# KiCad board Marble.kicad_pcb (continued)
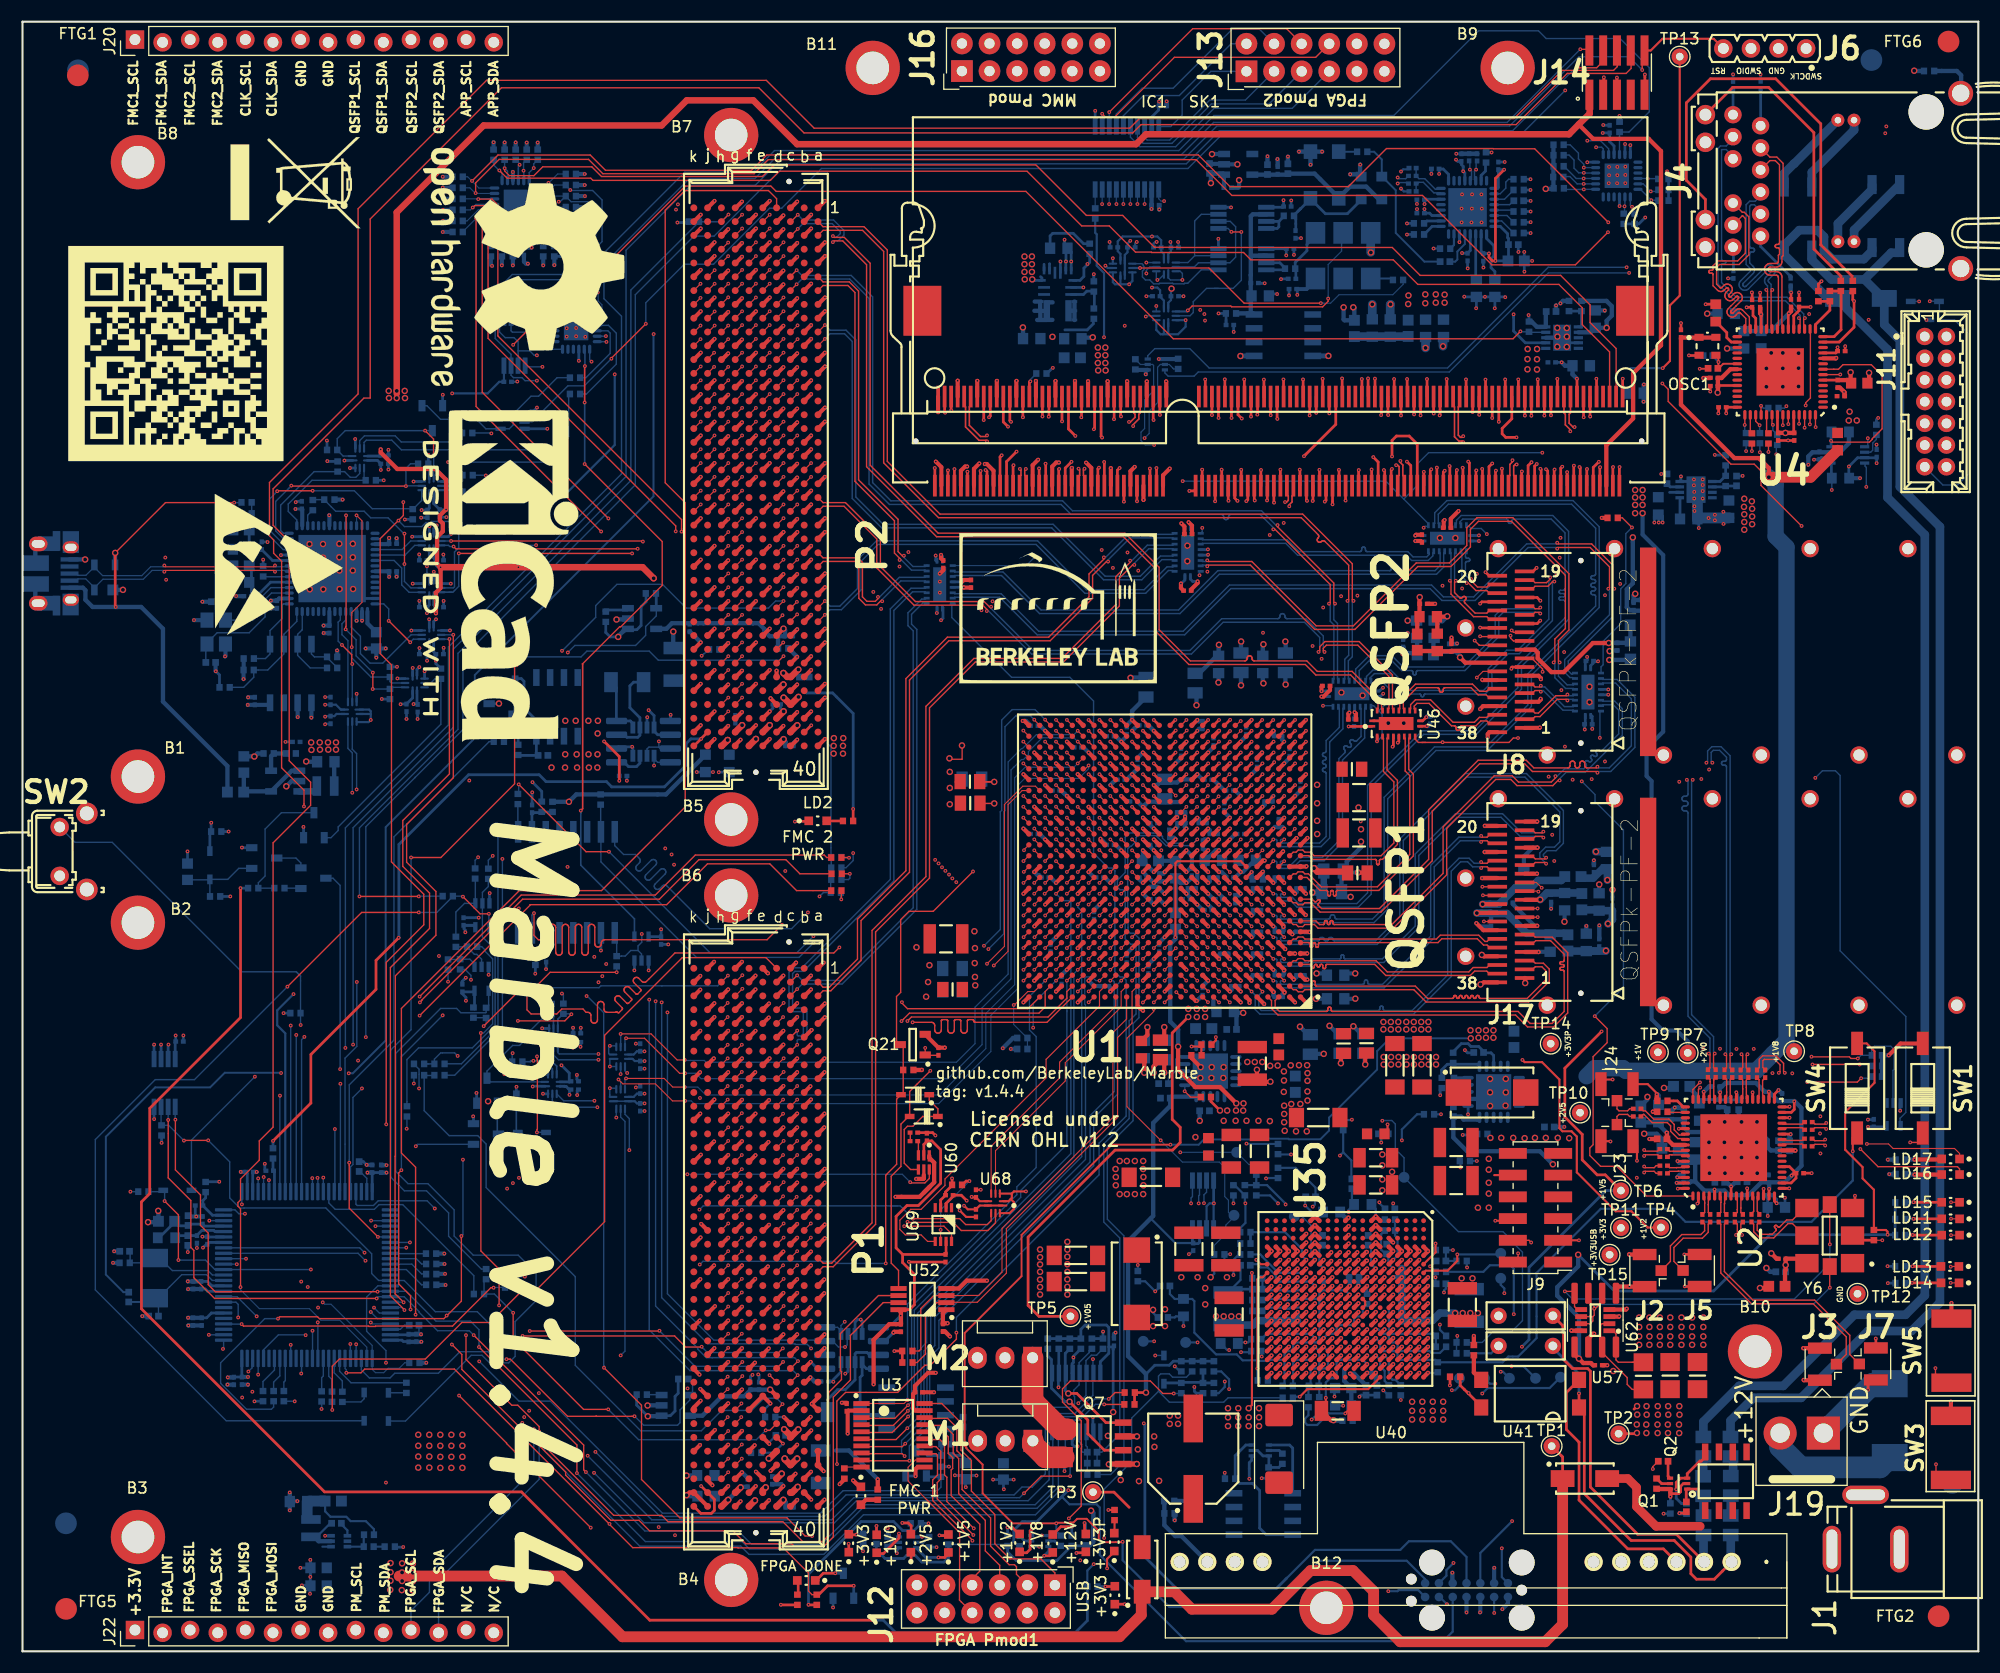
[diagram p0: board, top side]
## Nets (continued)
/QSFP1/QSFP_RX_1_N: J17.18 U1.E3
/QSFP1/QSFP_RX_1_P: J17.17 U1.E4
/QSFP1/QSFP_RX_2_N: J17.21 U1.C3
/QSFP1/QSFP_RX_2_P: J17.22 U1.C4
/QSFP1/QSFP_RX_3_N: J17.15 U1.G3
/QSFP1/QSFP_RX_3_P: J17.14 U1.G4
/QSFP1/QSFP_RX_4_N: J17.24 U1.B5
/QSFP1/QSFP_RX_4_P: J17.25 U1.B6
/QSFP1/QSFP_TX_1_N: J17.37 U1.D1
/QSFP1/QSFP_TX_1_P: J17.36 U1.D2
/QSFP1/QSFP_TX_2_N: J17.2 U1.B1
/QSFP1/QSFP_TX_2_P: J17.3 U1.B2
/QSFP1/QSFP_TX_3_N: J17.34 U1.F1
/QSFP1/QSFP_TX_3_P: J17.33 U1.F2
/QSFP1/QSFP_TX_4_N: J17.5 U1.A3
/QSFP1/QSFP_TX_4_P: J17.6 U1.A4
/QSFP1/QSFP_Vcc: C406.1 C409.1 J17.30 L44.2
/QSFP1/QSFP_VccRx: C404.1 C407.1 J17.10 L30.2
/QSFP1/QSFP_VccTx: C405.1 C408.1 J17.29 L43.2
/QSFP2/QSFP_RX_1_N: J8.18 U48.18
/QSFP2/QSFP_RX_1_P: J8.17 U48.19
/QSFP2/QSFP_RX_2_N: J8.21 U50.12
/QSFP2/QSFP_RX_2_P: J8.22 U50.13
/QSFP2/QSFP_RX_3_N: J8.15 U48.16
/QSFP2/QSFP_RX_3_P: J8.14 U48.17
/QSFP2/QSFP_RX_4_N: J8.24 U50.14
/QSFP2/QSFP_RX_4_P: J8.25 U50.15
/QSFP2/QSFP_TX_1_N: J8.37 U46.12
/QSFP2/QSFP_TX_1_P: J8.36 U46.13
/QSFP2/QSFP_TX_2_N: J8.2 U49.14
/QSFP2/QSFP_TX_2_P: J8.3 U49.15
/QSFP2/QSFP_TX_3_N: J8.34 U46.14
/QSFP2/QSFP_TX_3_P: J8.33 U46.15
/QSFP2/QSFP_TX_4_N: J8.5 U49.12
/QSFP2/QSFP_TX_4_P: J8.6 U49.13
/QSFP2/QSFP_Vcc: C301.1 C304.1 J8.30 L5.2
/QSFP2/QSFP_VccRx: C299.1 C302.1 J8.10 L1.2
/QSFP2/QSFP_VccTx: C300.1 C303.1 J8.29 L2.2
/SDRAM/DDR3_CAS_N: SK1.115 U1.AF8
/SDRAM/DDR3_CK_N: SK1.103 U1.AF12
/SDRAM/DDR3_CK_P: SK1.101 U1.AE12
/SDRAM/DDR3_CKE: SK1.73 U1.AA13
/SDRAM/DDR3_CS_N: SK1.114 U1.AC7
/SDRAM/DDR3_DQS0_N: SK1.10 U1.AF18
/SDRAM/DDR3_DQS0_P: SK1.12 U1.AE18
/SDRAM/DDR3_DQS1_N: SK1.27 U1.W19
/SDRAM/DDR3_DQS1_P: SK1.29 U1.W18
/SDRAM/DDR3_DQS2_N: SK1.45 U1.AE20
/SDRAM/DDR3_DQS2_P: SK1.47 U1.AD20
/SDRAM/DDR3_DQS3_N: SK1.62 U1.Y16
/SDRAM/DDR3_DQS3_P: SK1.64 U1.Y15
/SDRAM/DDR3_DQS4_N: SK1.135 U1.AB5
/SDRAM/DDR3_DQS4_P: SK1.137 U1.AA5
/SDRAM/DDR3_DQS5_N: SK1.152 U1.AF4
/SDRAM/DDR3_DQS5_P: SK1.154 U1.AF5
/SDRAM/DDR3_DQS6_N: SK1.169 U1.AC1
/SDRAM/DDR3_DQS6_P: SK1.171 U1.AB1
/SDRAM/DDR3_DQS7_N: SK1.186 U1.W5
/SDRAM/DDR3_DQS7_P: SK1.188 U1.W6
/SDRAM/DDR3_ODT: SK1.116 U1.AB9
/SDRAM/DDR3_RAS_N: SK1.110 U1.AB7
/SDRAM/DDR3_RST_N: R20.2 SK1.30 U1.Y12
/SDRAM/DDR3_WE_N: SK1.113 U1.AF9
/SDRAM/VREF_DDR3: C14.1 C15.1 C16.1 C17.1 C18.1 C19.1 C25.1 SK1.1 SK1.126 U1.AD3 U1.AE11 U1.AE16 U1.W4 U1.W8 U1.Y18 U31.6
/THERM: R130.2 U27.6 U39.7
/USB/CTS_IN: U23.48 U66.9
/USB/RTS_OUT: U23.47 U66.8
/USB/RxD_IN: U23.46 U25.9
/USB/TxD_OUT: U23.42 U25.8
/USB/USB_D_N: D13.2 J10.2 U23.7
/USB/USB_D_P: D13.3 J10.3 U23.8
/USB_TCK: R230.1 U26.5
/USB_TDI_DO: R231.1 U26.4
/USB_TDO_DI: R233.1 U33.4
/USB_TMS: R232.1 U33.5
/WhiteRabbit/CLK20_VCXO: R103.2 U67.9
/WhiteRabbit/FPGA_REF_CLK0_N: C96.2 R59.2 U20.5
/WhiteRabbit/FPGA_REF_CLK0_P: C84.2 R60.2 U20.6
/WhiteRabbit/SI570_CLK_N: C85.2 Y6.5
/WhiteRabbit/SI570_CLK_P: C97.2 Y6.4
/WhiteRabbit/VCXO_EN: U42.8 Y3.2
/WhiteRabbit/WR_DAC1_SYNC: U19.5 U42.9
/WhiteRabbit/WR_DAC2_SYNC: U16.5 U67.8
/WhiteRabbit/WR_DAC_DIN: U16.7 U19.7 U53.8
/WhiteRabbit/WR_DAC_OUT1: C109.1 R93.1 Y1.1 Y2.1
/WhiteRabbit/WR_DAC_OUT2: C108.1 R92.1 Y3.1
/WhiteRabbit/WR_DAC_SCLK: U16.6 U19.6 U53.9
DDR_REF_CLK_N: C410.2 R22.2 U20.31
DDR_REF_CLK_P: C379.2 R23.2 U20.32
FMC1_DP0_C2M_N: P1.C3 U44.12
FMC1_DP0_C2M_P: P1.C2 U44.13
FMC1_DP0_M2C_N: P1.C7 U44.14
FMC1_DP0_M2C_P: P1.C6 U44.15
FMC1_DP1_C2M_N: P1.A23 U45.16
FMC1_DP1_C2M_P: P1.A22 U45.17
FMC1_DP1_M2C_N: P1.A3 U45.18
FMC1_DP1_M2C_P: P1.A2 U45.19
FMC1_LA_0_N: P1.G7 U1.H18
FMC1_LA_0_P: P1.G6 U1.H17
FMC1_LA_1_N: P1.D9 U1.F18
FMC1_LA_1_P: P1.D8 U1.G17
FMC1_LA_2_N: P1.H8 U1.J20
FMC1_LA_2_P: P1.H7 U1.K20
FMC1_LA_3_N: P1.G10 U1.L18
FMC1_LA_3_P: P1.G9 U1.M17
FMC1_LA_4_N: P1.H11 U1.G20
FMC1_LA_4_P: P1.H10 U1.H19
FMC1_LA_5_N: P1.D12 U1.E20
FMC1_LA_5_P: P1.D11 U1.F19
FMC1_LA_6_N: P1.C11 U1.L20
FMC1_LA_6_P: P1.C10 U1.L19
FMC1_LA_7_N: P1.H14 U1.D20
FMC1_LA_7_P: P1.H13 U1.D19
FMC1_LA_8_N: P1.G13 U1.F20
FMC1_LA_8_P: P1.G12 U1.G19
FMC1_LA_9_N: P1.D15 U1.J19
FMC1_LA_9_P: P1.D14 U1.J18
FMC1_LA_10_N: P1.C15 U1.G16
FMC1_LA_10_P: P1.C14 U1.H16
FMC1_LA_11_N: P1.H17 U1.K18
FMC1_LA_11_P: P1.H16 U1.L17
FMC1_LA_12_N: P1.G16 U1.F15
FMC1_LA_12_P: P1.G15 U1.G15
FMC1_LA_13_N: P1.D18 U1.D16
FMC1_LA_13_P: P1.D17 U1.D15
FMC1_LA_14_N: P1.C19 U1.E16
FMC1_LA_14_P: P1.C18 U1.E15
FMC1_LA_15_N: P1.H20 U1.J16
FMC1_LA_15_P: P1.H19 U1.J15
FMC1_LA_16_N: P1.G19 U1.K17
FMC1_LA_16_P: P1.G18 U1.K16
FMC1_LA_17_N: P1.D21 U1.D10
FMC1_LA_17_P: P1.D20 U1.E10
FMC1_LA_18_N: P1.C23 U1.C11
FMC1_LA_18_P: P1.C22 U1.C12
FMC1_LA_19_N: P1.H23 U1.G14
FMC1_LA_19_P: P1.H22 U1.H14
FMC1_LA_20_N: P1.G22 U1.A15
FMC1_LA_20_P: P1.G21 U1.B15
FMC1_LA_21_N: P1.H26 U1.D13
FMC1_LA_21_P: P1.H25 U1.D14
FMC1_LA_22_N: P1.G25 U1.A14
FMC1_LA_22_P: P1.G24 U1.B14
FMC1_LA_23_N: P1.D24 U1.F12
FMC1_LA_23_P: P1.D23 U1.G12
FMC1_LA_24_N: P1.H29 U1.A8
FMC1_LA_24_P: P1.H28 U1.A9
FMC1_LA_25_N: P1.G28 U1.G9
FMC1_LA_25_P: P1.G27 U1.G10
FMC1_LA_26_N: P1.D27 U1.E12
FMC1_LA_26_P: P1.D26 U1.E13
FMC1_LA_27_N: P1.C27 U1.F13
FMC1_LA_27_P: P1.C26 U1.F14
FMC1_LA_28_N: P1.H32 U1.H13
FMC1_LA_28_P: P1.H31 U1.J13
FMC1_LA_29_N: P1.G31 U1.F8
FMC1_LA_29_P: P1.G30 U1.F9
FMC1_LA_30_N: P1.H35 U1.B11
FMC1_LA_30_P: P1.H34 U1.B12
FMC1_LA_31_N: P1.G34 U1.A12
FMC1_LA_31_P: P1.G33 U1.A13
FMC1_LA_32_N: P1.H38 U1.C13
FMC1_LA_32_P: P1.H37 U1.C14
FMC1_LA_33_N: P1.G37 U1.A10
FMC1_LA_33_P: P1.G36 U1.B10
FMC2_DP0_C2M_N: P2.C3 U46.18
FMC2_DP0_C2M_P: P2.C2 U46.19
FMC2_DP0_M2C_N: P2.C7 U48.12
FMC2_DP0_M2C_P: P2.C6 U48.13
FMC2_DP1_C2M_N: P2.A23 U46.16
FMC2_DP1_C2M_P: P2.A22 U46.17
FMC2_DP1_M2C_N: P2.A3 U48.14
FMC2_DP1_M2C_P: P2.A2 U48.15
FMC2_DP2_C2M_N: P2.A27 U44.16
FMC2_DP2_C2M_P: P2.A26 U44.17
FMC2_DP2_M2C_N: P2.A7 U44.18
FMC2_DP2_M2C_P: P2.A6 U44.19
FMC2_DP3_C2M_N: P2.A31 U45.12
FMC2_DP3_C2M_P: P2.A30 U45.13
FMC2_DP3_M2C_N: P2.A11 U45.14
FMC2_DP3_M2C_P: P2.A10 U45.15
FMC2_HA00_CC_N: P2.F5 U1.N22
FMC2_HA00_CC_P: P2.F4 U1.N21
FMC2_HA01_CC_N: P2.E3 U1.P21
FMC2_HA01_CC_P: P2.E2 U1.R21
FMC2_HA02_N: P2.K8 U1.U20
FMC2_HA02_P: P2.K7 U1.U19
FMC2_HA03_N: P2.J7 U1.T19
FMC2_HA03_P: P2.J6 U1.T18
FMC2_HA04_N: P2.F8 U1.R17
FMC2_HA04_P: P2.F7 U1.R16
FMC2_HA05_N: P2.E7 U1.N17
FMC2_HA05_P: P2.E6 U1.P16
FMC2_HA06_N: P2.K11 U1.P18
FMC2_HA06_P: P2.K10 U1.R18
FMC2_HA07_N: P2.J10 U1.T25
FMC2_HA07_P: P2.J9 U1.T24
FMC2_HA08_N: P2.F11 U1.T23
FMC2_HA08_P: P2.F10 U1.T22
FMC2_HA09_N: P2.E10 U1.T17
FMC2_HA09_P: P2.E9 U1.U17
FMC2_HA10_N: P2.K14 U1.K26
FMC2_HA10_P: P2.K13 U1.K25
FMC2_HA11_N: P2.J13 U1.M19
FMC2_HA11_P: P2.J12 U1.N18
FMC2_HA12_N: P2.F14 U1.L24
FMC2_HA12_P: P2.F13 U1.M24
FMC2_HA13_N: P2.E13 U1.R20
FMC2_HA13_P: P2.E12 U1.T20
FMC2_HA14_N: P2.J16 U1.P20
FMC2_HA14_P: P2.J15 U1.P19
FMC2_HA15_N: P2.F17 U1.P25
FMC2_HA15_P: P2.F16 U1.R25
FMC2_HA16_N: P2.E16 U1.P26
FMC2_HA16_P: P2.E15 U1.R26
FMC2_HA17_CC_N: P2.K17 U1.R23
FMC2_HA17_CC_P: P2.K16 U1.R22
FMC2_HA18_N: P2.J19 U1.M22
FMC2_HA18_P: P2.J18 U1.M21
FMC2_HA19_N: P2.F20 U1.M20
FMC2_HA19_P: P2.F19 U1.N19
FMC2_HA20_N: P2.E19 U1.N23
FMC2_HA20_P: P2.E18 U1.P23
FMC2_HA21_N: P2.K20 U1.N24
FMC2_HA21_P: P2.K19 U1.P24
FMC2_HA22_N: P2.J22 U1.M26
FMC2_HA22_P: P2.J21 U1.N26
FMC2_HA23_N: P2.K23 U1.L25
FMC2_HA23_P: P2.K22 U1.M25
FMC2_LA_0_N: P2.G7 U1.AA22
FMC2_LA_0_P: P2.G6 U1.Y22
FMC2_LA_1_N: P2.D9 U1.AB24
FMC2_LA_1_P: P2.D8 U1.AA23
FMC2_LA_2_N: P2.H8 U1.AF22
FMC2_LA_2_P: P2.H7 U1.AE22
FMC2_LA_3_N: P2.G10 U1.AE26
FMC2_LA_3_P: P2.G9 U1.AD26
FMC2_LA_4_N: P2.H11 U1.W21
FMC2_LA_4_P: P2.H10 U1.V21
FMC2_LA_5_N: P2.D12 U1.AC26
FMC2_LA_5_P: P2.D11 U1.AB26
FMC2_LA_6_N: P2.C11 U1.AD24
FMC2_LA_6_P: P2.C10 U1.AD23
FMC2_LA_7_N: P2.H14 U1.AC22
FMC2_LA_7_P: P2.H13 U1.AB22
FMC2_LA_8_N: P2.G13 U1.AC24
FMC2_LA_8_P: P2.G12 U1.AC23
FMC2_LA_9_N: P2.D15 U1.V26
FMC2_LA_9_P: P2.D14 U1.U26
FMC2_LA_10_N: P2.C15 U1.AF23
FMC2_LA_10_P: P2.C14 U1.AE23
FMC2_LA_11_N: P2.H17 U1.W24
FMC2_LA_11_P: P2.H16 U1.W23
FMC2_LA_12_N: P2.G16 U1.AB25
FMC2_LA_12_P: P2.G15 U1.AA25
FMC2_LA_13_N: P2.D18 U1.V24
FMC2_LA_13_P: P2.D17 U1.V23
FMC2_LA_14_N: P2.C19 U1.U25
FMC2_LA_14_P: P2.C18 U1.U24
FMC2_LA_15_N: P2.H20 U1.V22
FMC2_LA_15_P: P2.H19 U1.U22
FMC2_LA_16_N: P2.G19 U1.W26
FMC2_LA_16_P: P2.G18 U1.W25
FMC2_LA_17_N: P2.D21 U1.F23
FMC2_LA_17_P: P2.D20 U1.G22
FMC2_LA_18_N: P2.C23 U1.F24
FMC2_LA_18_P: P2.C22 U1.G24
FMC2_LA_19_N: P2.H23 U1.J23
FMC2_LA_19_P: P2.H22 U1.K23
FMC2_LA_20_N: P2.G22 U1.K22
FMC2_LA_20_P: P2.G21 U1.L22
FMC2_LA_21_N: P2.H26 U1.H22
FMC2_LA_21_P: P2.H25 U1.J21
FMC2_LA_22_N: P2.G25 U1.D25
FMC2_LA_22_P: P2.G24 U1.E25
FMC2_LA_23_N: P2.D24 U1.H24
FMC2_LA_23_P: P2.D23 U1.H23
FMC2_LA_24_N: P2.H29 U1.J25
FMC2_LA_24_P: P2.H28 U1.J24
FMC2_LA_25_N: P2.G28 U1.D24
FMC2_LA_25_P: P2.G27 U1.D23
FMC2_LA_26_N: P2.D27 U1.E26
FMC2_LA_26_P: P2.D26 U1.F25
FMC2_LA_27_N: P2.C27 U1.G21
FMC2_LA_27_P: P2.C26 U1.H21
FMC2_LA_28_N: P2.H32 U1.G26
FMC2_LA_28_P: P2.H31 U1.G25
FMC2_LA_29_N: P2.G31 U1.H26
FMC2_LA_29_P: P2.G30 U1.J26
FMC2_LA_30_N: P2.H35 U1.C26
FMC2_LA_30_P: P2.H34 U1.D26
FMC2_LA_31_N: P2.G34 U1.E22
FMC2_LA_31_P: P2.G33 U1.E21
FMC2_LA_32_N: P2.H38 U1.A20
FMC2_LA_32_P: P2.H37 U1.B20
FMC2_LA_33_N: P2.G37 U1.B21
FMC2_LA_33_P: P2.G36 U1.C21
INTVCC0: C140.2 R150.1 R206.2 U35.E7
INTVCC3: C144.2 R171.1 R194.2 U35.R11
INTVCC12: C148.2 R191.1 U35.K9
MGTAVCC: C1.1 C4.1 C217.1 C219.1 C221.1 C381.1 J21.11 L34.2 TP5.1 U1.C6 U1.E6 U1.G6 U1.J6 U1.L6
MGTAVTT: C146.1 C225.1 C228.1 C230.1 C232.1 C234.1 C236.1 C238.1 C380.1 J21.8 L16.2 R161.2 R253.1 U1.B3 U1.C2 U1.D3 U1.G2 U1.H3 U1.L2 U1.M3 U1.M5
VTT_DDR3: C26.1 C27.1 SK1.203 SK1.204 TP13.1 U31.3 U31.5
Net-(C28-Pad1): C28.1 C29.1 L19.2 Y6.6
Net-(C38-Pad1): C38.1 R224.2 R225.2 U30.2
Net-(C39-Pad1): C39.1 R227.2 U30.14
Net-(C42-Pad2): C42.2 C45.1 C46.1 C48.1 C50.1 C52.1 L3.2 U4.3 U4.19 U4.26 U4.35 U4.38
Net-(C47-Pad2): C47.2 C49.1 C51.1 L4.2 U4.20 U4.25
Net-(C58-Pad1): C58.1 J4.7
Net-(C59-Pad1): C59.1 J4.1
Net-(C60-Pad1): C60.1 J4.6
Net-(C70-Pad1): C70.1 R68.1 U47.6
Net-(C72-Pad2): C72.2 U47.1
Net-(C74-Pad1): C74.1 U47.3
Net-(C93-Pad1): C93.1 R132.1 U54.13 Y5.2
Net-(C102-Pad1): C92.1 C102.1 U54.12 Y5.1
Net-(C106-Pad1): C90.1 C106.1 R58.1 U14.8 U16.2 U19.2
Net-(C107-Pad1): C81.1 C91.1 C107.1 U13.5 Y1.6 Y2.4
Net-(C111-Pad1): C111.1 C113.1 L11.2 L12.1
Net-(C114-Pad1): C114.1 R82.2 Y1.4
Net-(C114-Pad2): C114.2 U20.21
Net-(C120-Pad1): C120.1 U20.19
Net-(C121-Pad1): C121.1 U20.17
Net-(C123-Pad1): C123.1 C126.1 C210.1 L26.1 U20.9 U20.16 U20.18
Net-(C128-Pad1): C128.1 D4.2 D10.1 J1.1 J19.2 Q1.1 Q2.5 Q2.6 Q2.7 Q2.8
Net-(C129-Pad1): C76.1 C129.1 D4.1 D12.1 TP1.1 U18.1
Net-(C130-Pad1): C130.1 U18.4
Net-(C130-Pad2): C130.2 L13.1 U18.2
Net-(C132-Pad1): C132.1 L13.2 L17.1 R7.1
Net-(C134-Pad2): C134.2 Q16.4 R213.2
Net-(C135-Pad2): C135.2 Q23.4 R214.2
Net-(C138-Pad1): C138.1 C427.1 R109.1 U35.K18
Net-(C143-Pad1): C143.1 L16.1 R168.1 TP4.1 U36.1 U36.18 U36.19 U36.20
Net-(C150-Pad1): C150.1 R133.1 U35.N16
Net-(C150-Pad2): C150.2 R139.1 U35.P16
Net-(C151-Pad2): C151.2 R110.2 U35.E9
Net-(C152-Pad2): C152.2 R111.2 U35.R9
Net-(C153-Pad2): C153.2 C154.2 C155.2 C156.2 R134.2 R139.2 U35.A13 U35.B13 U35.C13 U35.D7 U35.D8 U35.D9 U35.D10 U35.D11 U35.D12 U35.D13 U35.E8 U35.H6 U35.J5 U35.J6 U35.L5 U35.L6 U35.M6 U35.R10 U35.T7 U35.T8 U35.T9 U35.T10 U35.T11 U35.T12 U35.T13 U35.U13 U35.V13 U35.W13
Net-(C157-Pad2): C157.2 U35.F9
Net-(C158-Pad2): C158.2 U35.G7
Net-(C159-Pad2): C159.2 U35.N7
Net-(C160-Pad2): C160.2 U35.P9
Net-(C162-Pad1): C162.1 L10.2 U22.1 U22.4
Net-(C165-Pad1): C165.1 U23.4 Y4.1
Net-(C167-Pad1): C167.1 C174.1 L24.2 U23.5
Net-(C168-Pad1): C168.1 C175.1 L25.2 U23.9
Net-(C171-Pad1): C171.1 U23.3 Y4.3
Net-(C188-Pad2): C188.2 C189.2 R129.2 U27.11 U27.12
Net-(C307-Pad2): C307.2 U54.73
Net-(C308-Pad1): C308.1 C310.1 R3.2 U54.21
Net-(C309-Pad2): C309.2 U54.49
Net-(C322-Pad2): C322.2 C323.1 C325.1 C326.1 C329.1 C357.1 L6.2 U2.5 U2.15 U2.18 U2.21 U2.31 U2.34 U2.43 U2.59 U2.63
Net-(C350-Pad1): C350.1 D12.2 Q4.5 Q4.6 Q4.7 Q4.8 Q22.1 R197.1 TP3.1 U40.8
Net-(C352-Pad1): C352.1 J4.12
Net-(C353-Pad1): C353.1 L39.2 U40.1 U41.1
Net-(C354-Pad1): C354.1 L40.2 U40.2
Net-(C360-Pad1): C360.1 D16.2 Q18.1 R270.2
Net-(C361-Pad2): C361.2 R243.1 U35.G8
Net-(C362-Pad2): C362.2 R244.1 U35.J10
Net-(C363-Pad2): C363.2 R306.1 U35.L10
Net-(C374-Pad1): C374.1 C375.1 OSC1.3 U4.34
Net-(C383-Pad1): C383.1 L34.1 R195.1 U37.1 U37.18 U37.19 U37.20
Net-(C393-Pad1): C393.1 U36.15
Net-(C394-Pad1): C394.1 U37.15
Net-(C417-Pad2): C417.2 U20.12
Net-(C419-Pad1): C419.1 U60.3
Net-(C419-Pad2): C419.2 C420.1
Net-(C426-Pad2): C426.2 R307.1 U35.N11
Net-(D1-Pad1): D1.1 D9.1 U60.4
Net-(D6-Pad1): D6.1 D7.1 D8.1 L35.1
Net-(D6-Pad2): D6.2 D7.2 D8.2 L36.1
Net-(D13-Pad4): D13.4 J10.1 L10.1 R112.1
Net-(D14-Pad2): D14.2 Q5.3 Q17.1 R246.2
Net-(D17-Pad1): D17.1 R276.2 U7.4
Net-(D18-Pad1): D18.1 R63.2 U10.4
Net-(J4-Pad17): J4.17 R67.1
Net-(J4-Pad19): J4.19 R156.1
Net-(J4-Pad21): J4.21 J4.22 R165.2
Net-(L23-Pad1): L23.1 U22.3
Net-(L35-Pad2): L35.2 L37.1
Net-(L36-Pad2): L36.2 L38.1
Net-(L37-Pad2): L37.2 L39.1
Net-(L38-Pad2): L38.2 L40.1
Net-(LD1-Pad2): LD1.2 R235.2
Net-(LD2-Pad2): LD2.2 R236.2
Net-(LD3-Pad1): LD3.1 Q19.3
Net-(LD3-Pad2): LD3.2 R163.2
Net-(LD4-Pad2): LD4.2 R248.2
Net-(LD5-Pad1): LD5.1 Q3.6
Net-(LD5-Pad2): LD5.2 R249.2
Net-(LD6-Pad2): LD6.2 R251.2
Net-(LD7-Pad1): LD7.1 Q3.3
Net-(LD7-Pad2): LD7.2 R252.2
Net-(LD8-Pad1): LD8.1 Q20.6
Net-(LD8-Pad2): LD8.2 R254.2
Net-(LD9-Pad1): LD9.1 Q20.3
Net-(LD9-Pad2): LD9.2 R256.2
Net-(LD10-Pad2): LD10.2 R257.2
Net-(LD11-Pad2): LD11.2 R267.2
Net-(LD12-Pad2): LD12.2 R266.2
Net-(LD13-Pad1): LD13.1 U39.13
Net-(LD13-Pad2): LD13.2 R264.2
Net-(LD14-Pad1): LD14.1 U39.12
Net-(LD14-Pad2): LD14.2 R265.2
Net-(LD15-Pad2): LD15.2 R268.2
Net-(LD16-Pad1): LD16.1 Q15.3
Net-(LD16-Pad2): LD16.2 R18.2
Net-(LD17-Pad1): LD17.1 Q15.6
Net-(LD17-Pad2): LD17.2 R19.2
Net-(LD18-Pad2): LD18.2 R61.2
Net-(LD19-Pad2): LD19.2 R78.2
Net-(M1-Pad1): M1.1 Q7.7 Q7.8
Net-(M1-Pad3): M1.3 R175.2 U27.2
Net-(M2-Pad1): M2.1 Q7.5 Q7.6
Net-(M2-Pad3): M2.3 R177.2 U27.4
Net-(P1-PadC34): P1.C34 R9.2
Net-(P1-PadD35): P1.D35 R10.2
Net-(P2-PadC34): P2.C34 R11.2
Net-(P2-PadD35): P2.D35 R12.2
Net-(Q1-Pad2): Q1.2 Q1.6 R104.1 R107.1
Net-(Q1-Pad3): Q1.3 Q2.4 R108.1
Net-(Q1-Pad5): Q1.5 R107.2
Net-(Q3-Pad2): Q3.2 R247.2
Net-(Q3-Pad5): Q3.5 R250.2
Net-(Q6-Pad3): Q6.3 R204.2 U26.2 U33.2
Net-(Q7-Pad2): Q7.2 R174.2 U27.1
Net-(Q7-Pad4): Q7.4 R176.2 U27.3
Net-(Q8-Pad3): Q8.3 R202.2 R213.1
Net-(Q9-Pad3): Q9.3 R203.2 R214.1
Net-(Q14-Pad1): Q14.1 R269.2
Net-(Q14-Pad2): Q14.2 Q18.3
Net-(Q17-Pad3): Q17.3 R131.2 U8.2 U9.2
Net-(Q20-Pad2): Q20.2 R253.2
Net-(Q20-Pad5): Q20.5 R255.2
Net-(Q22-Pad2): Q22.2 Q22.6 R181.1 R184.1
Net-(Q22-Pad3): Q4.4 Q22.3 R212.1
Net-(Q22-Pad5): Q22.5 R184.2
Net-(Q24-Pad1): Q24.1 R273.2 U24.4
Net-(Q24-Pad3): Q24.3 R269.1 R271.1
Net-(R4-Pad2): R4.2 U3.10
Net-(R5-Pad2): R5.2 U12.10
Net-(R6-Pad2): R6.2 U69.6
Net-(R8-Pad2): R8.2 U35.P15
Net-(R21-Pad2): R21.2 U54.94
Net-(R26-Pad1): R26.1 R27.2 U58.3
Net-(R30-Pad1): R30.1 R31.1 U31.1
Net-(R33-Pad1): R33.1 U2.49
Net-(R34-Pad1): R34.1 U2.50
Net-(R43-Pad1): R43.1 U5.23
Net-(R44-Pad1): R44.1 U5.22
Net-(R64-Pad1): R64.1 U4.8 U6.4
Net-(R65-Pad2): R65.2 R80.2 U4.15
Net-(R66-Pad2): R66.2 U4.30
Net-(R68-Pad2): R68.2 R69.2 U47.5
Net-(R70-Pad1): R7.2 R70.1 U18.6
Net-(R70-Pad2): R70.2 R71.1
Net-(R72-Pad2): R72.2 U39.4
Net-(R73-Pad2): R73.2 U39.3
Net-(R74-Pad2): R74.2 U36.11
Net-(R76-Pad2): R76.2 U37.11
Net-(R79-Pad1): R79.1 U20.23
Net-(R82-Pad1): R82.1 Y2.3
Net-(R83-Pad1): R83.1 U5.17
Net-(R89-Pad2): R89.2 U35.N15
Net-(R90-Pad2): R90.2 U35.M16
Net-(R91-Pad1): R91.1 U5.16
Net-(R92-Pad2): R92.2 U16.3 U16.4
Net-(R93-Pad2): R93.2 U19.3 U19.4
Net-(R94-Pad2): R94.2 U20.7
Net-(R95-Pad2): R95.2 U35.P17
Net-(R96-Pad2): R96.2 U20.25
Net-(R97-Pad2): R97.2 U20.26
Net-(R98-Pad2): R98.2 U20.13
Net-(R99-Pad2): R99.2 U20.14
Net-(R100-Pad2): R100.2 U20.15
Net-(R101-Pad2): R101.2 U20.10
Net-(R102-Pad2): R102.2 U20.11
Net-(R103-Pad1): R103.1 Y3.4
Net-(R105-Pad2): R105.2 U35.A6
Net-(R106-Pad2): R106.2 U35.W7
Net-(R112-Pad2): R112.2 R116.1 U23.11
Net-(R113-Pad2): R113.2 R114.1 U21.4
Net-(R114-Pad2): R114.2 U21.3 U23.55
Net-(R115-Pad2): R88.1 R115.2 U21.2 U23.56
Net-(R117-Pad2): R117.2 U21.1 U23.1
Net-(R118-Pad2): R118.2 R119.1 U22.5
Net-(R120-Pad2): R120.2 U23.6
Net-(R121-Pad2): R121.2 U23.24 U24.8
Net-(R122-Pad2): R122.2 U23.12 U26.8
Net-(R123-Pad2): R123.2 U23.26 U24.9
Net-(R124-Pad2): R124.2 U23.13 U26.9
Net-(R125-Pad2): R125.2 U23.14 U33.9
Net-(R126-Pad2): R126.2 U23.15 U33.8
Net-(R127-Pad1): R127.1 R200.1 U15.9
Net-(R135-Pad2): R135.2 U54.93
Net-(R136-Pad2): R136.2 U54.92
Net-(R140-Pad1): R140.1 U35.G16
Net-(R141-Pad1): R141.1 U35.G13
Net-(R143-Pad1): R143.1 U35.G14
Net-(R143-Pad2): R143.2 R206.1 U35.E11
Net-(R145-Pad1): R145.1 U35.G17
Net-(R145-Pad2): R145.2 U35.H8
Net-(R148-Pad1): R148.1 U35.F17
Net-(R148-Pad2): R148.2 U35.M8
Net-(R150-Pad2): R150.2 R155.2 U35.E6
Net-(R151-Pad2): R151.2 U54.82
Net-(R152-Pad2): R152.2 U54.83
Net-(R153-Pad2): R153.2 U54.84
Net-(R154-Pad2): R154.2 U54.85
Net-(R161-Pad1): R161.1 U1.M6
Net-(R164-Pad2): R164.2 R169.2 U35.G11
Net-(R168-Pad2): R168.2 R189.1 U36.16
Net-(R170-Pad2): R170.2 U35.F10
Net-(R171-Pad2): R171.2 R180.2 U35.R6
Net-(R185-Pad2): R185.2 R186.2 U35.R8
Net-(R187-Pad2): R187.2 U35.P8
Net-(R190-Pad2): R190.2 R191.2 R192.2 U35.L9
Net-(R193-Pad2): R193.2 U35.K10
Net-(R194-Pad1): R194.1 U35.R7
Net-(R195-Pad2): R195.2 R196.1 U37.16
Net-(R197-Pad2): R197.2 R198.1 U40.9
Net-(R200-Pad2): R200.2 U23.17
Net-(R207-Pad1): R207.1 U35.J12
Net-(R208-Pad1): R208.1 U35.L12
Net-(R210-Pad2): R210.2 U30.1
Net-(R211-Pad1): R211.1 R217.1 U35.F8
Net-(R218-Pad1): R218.1 R219.1 U35.P10
Net-(R259-Pad2): R259.2 U55.3
Net-(R261-Pad2): R261.2 U43.3
Net-(R262-Pad2): R262.2 U6.6
Net-(R263-Pad2): R263.2 SW2.2 SW3.2 U54.23
Net-(R274-Pad2): R42.1 R274.2 U5.18
Net-(R281-Pad1): R281.1 U41.3
Net-(R283-Pad2): R283.2 R286.1 U1.T5
Net-(R284-Pad1): R284.1 R287.1 U1.T2
Net-(R285-Pad1): R285.1 R288.1 U1.P5
Net-(R291-Pad1): R291.1 U4.43
Net-(R292-Pad1): R292.1 U4.46
Net-(R293-Pad1): R293.1 U4.44
Net-(R294-Pad1): R294.1 U4.45
Net-(R295-Pad1): R295.1 U4.47
Net-(R296-Pad1): R296.1 U4.48
Net-(R309-Pad1): R309.1 U35.F18
Net-(SW5-Pad2): SW5.2 U60.6
Net-(TP16-Pad1): TP16.1 U35.A7
Net-(TP17-Pad1): TP17.1 U35.W6
Net-(TP18-Pad1): TP18.1 U35.H15
Net-(TP19-Pad1): TP19.1 U35.J17
Net-(TP23-Pad1): TP23.1 U35.P6
Net-(TP24-Pad1): TP24.1 U35.J11
Net-(TP25-Pad1): TP25.1 U35.E10
Net-(TP26-Pad1): TP26.1 U35.M11
Net-(TP27-Pad1): TP27.1 U35.K17
Net-(TP28-Pad1): TP28.1 U35.F16
Net-(U4-Pad7): U4.7 U6.5
Net-(U15-Pad8): U15.8 U23.34
Net-(U23-Pad32): U23.32 U38.9
Net-(U23-Pad33): U23.33 U38.8
Net-(U35-PadH10): U35.H10 U35.H11
Net-(U35-PadN8): U35.N8 U35.N9
Net-(U40-Pad3): U40.3 U41.2
Net-(U48-Pad9): U48.9 U56.4
Net-(U58-Pad4): U58.4 U58.5 U58.6 U58.A4

Pads without a net: FTG1 1; FTG2 1; FTG3 1; FTG4 1; FTG5 1; FTG6 1; FTG7 1; FTG8 1; J1 2; J9 1 5 7 8 9 11 12; J10 4; J11 12 14; J14 7; J22 13 14; P1 A6 A7 A10 A11 A14 A15 A18 A19 A26 A27 A30 A31 A34 A35 A38 A39 B1 B4 B5 B8 B9 B12 B13 B16 B17 B24 B25 B28 B29 B32 B33 B36 B37 B40 E2 E3 E6 E7 E9 E10 E12 E13 E15 E16 E18 E19 E21 E22 E24 E25 E27 E28 E30 E31 E33 E34 E36 E37 F1 F4 F5 F7 F8 F10 F11 F13 F14 F16 F17 F19 F20 F22 F23 F25 F26 F28 F29 F31 F32 F34 F35 F37 F38 H1 J2 J3 J6 J7 J9 J10 J12 J13 J15 J16 J18 J19 J21 J22 J24 J25 J27 J28 J30 J31 J33 J34 J36 J37 K1 K4 K5 K7 K8 K10 K11 K13 K14 K16 K17 K19 K20 K22 K23 K25 K26 K28 K29 K31 K32 K34 K35 K37 K38; P2 A14 A15 A18 A19 A34 A35 A38 A39 B1 B4 B5 B8 B9 B12 B13 B16 B17 B24 B25 B28 B29 B32 B33 B36 B37 B40 E21 E22 E24 E25 E27 E28 E30 E31 E33 E34 E36 E37 F1 F22 F23 F25 F26 F28 F29 F31 F32 F34 F35 F37 F38 H1 J2 J3 J24 J25 J27 J28 J30 J31 J33 J34 J36 J37 K1 K4 K5 K25 K26 K28 K29 K31 K32 K34 K35 K37 K38; SK1 74 77 102 104 120 121 122 125 198 205 206; SW2 3 4; U1 A19 A23 A24 AA2 AA7 AB20 AC16 AD5 AD25 AE25 B26 N16 T7 U4 U9 U16 U21 V13 W13 W20 Y20 Y21; U2 19 20 22 23 51 52; U4 1 2 4 5 9 12 29 31 32 33 36 37 39 40 41; U5 25; U13 4; U14 1 2 3 6 7; U18 5; U20 2 3 8 24 28 29; U21 7; U23 18 19 20 22 23 25 27 28 29 30 35 37 38 39 40 49 51 52 53 54; U24 5; U30 3 4 5 6 11 12 13; U34 1 2 3 10 11 12; U35 F11 H13 J8 K8 K15 K19 L8 P7; U36 2 3 4 9 13 14 17; U37 2 3 4 9 13 14 17; U39 2 10 11 14 15 16; U40 4 5 6; U54 3 5 7 38 48 51 52 55 63 88 90 95 99; U56 1; U58 10 11 15; U69 1 4; Y3 5; Y6 1

## Via types
v1: diameter 0.35, hole 0.152, Top to Bottom, 3076 vias
v2: diameter 0.6, hole 0.35, Top to Bottom, 588 vias

## Routing (per net, layer and track width the routed paths; a pad name or vN(x,y) marks a point on that pad's centre or on a via; arc(x,y) is an arc through that point)
+1V0: length 256.6
  Top w0.254: C53.1 167.04,117.01 U4.6 ; U4.42 156.8,114.51 C54.1 156.8,113.97 156.79,113.95
  Top w0.381: U1.P14 v1(104.12,73.73) ; U1.N9 v1(110.12,71.73) ; U1.J9 v1(110.12,67.73) ; U1.K8 v1(111.12,68.73) ; U1.K12 v1(107.12,68.73) ; U1.L9 v1(110.12,69.73) ; U1.L15 v1(103.12,69.73) ; U1.M14 v1(104.12,70.73) ; U1.M8 v1(111.12,70.73) ; U1.N15 v1(103.12,71.73) ; U1.K10 v1(109.12,68.73) ; U1.K14 v1(104.12,68.73) ; U1.T14 v1(104.12,75.73) ; U1.U15 v1(103.12,76.73) ; U1.R15 v1(103.12,74.73) ; v1(105.1,69.73) 105.12,69.73 U1.L13
  Top w0.4: 167.25,117.01 168.02,117.01 C57.1 168.25,116.78 v2(168.25,117.73)
  In2.Cu w0.254: 134.04,53.72 134.04,46.94 134.95,46.03 137.85,46.03 140.04,43.84 140.04,33.02 136.25,29.23 134.45,29.23 129.65,24.43 127.25,24.43 124.25,21.43 121.45,21.43 120.75,22.13 120.05,22.13 118.83,20.91 117.33,20.91 115.85,19.43 107.45,19.43 103.95,15.93 103.95,15.83 98.9,10.78 98.9,9.92 v1(97.35,8.37) 93.85,8.37 93.83,8.39 85.31,8.39 v1(84.12,9.58)
  In2.Cu w0.4: v2(130.1,54.02) 130.4,53.72 149.25,53.72 167.31,71.77 167.31,109.9 167.99,110.58 169.46,110.58 170.31,111.43 170.31,116.24
  In7.Cu w0.254: v1(97.35,8.37) 97.56,8.58 102.15,8.58 104.95,5.78 115.3,5.78 116.45,6.93 125.21,6.93 126.71,5.44 129.99,5.44 v1(131.1,4.33)
  Bottom w0.2: 130.36,5 130.44,5 v1(131.1,4.33)
  Bottom w0.254: R247.1 v1(84.12,9.58)
  Bottom w0.381: v1(103.12,74.73) U1.R15 C271.1 103.77,74.08 v1(104.12,73.73) ; v1(110.12,67.73) U1.J9 C269.1 109.47,68.38 v1(109.12,68.73) ; v1(110.12,71.73) 110.37,71.73 110.77,71.33 C264.1 110.77,71.08 v1(111.12,70.73) ; v1(104.12,75.73) 103.77,76.08 C279.1 U1.U15 v1(103.12,76.73) ; C277.1 106.77,69.08 v1(107.12,68.73) ; v1(111.12,68.73) U1.K8 C267.1 110.47,69.38 v1(110.12,69.73) ; 103.62,71.23 v1(103.12,71.73) ; v1(104.12,68.73) 103.77,69.08 C275.1 103.62,69.23 v1(103.12,69.73) 103.76,70.37 104.2,70.37 104.12,70.46 v1(104.12,70.73) 103.59,71.26 103.58,71.26 ; v1(105.1,69.73) 104.46,70.37 104.2,70.37 104.15,70.42 104.12,70.42 ; 118.16,56.82 118.16,56.91 v2(117.57,57.5) ; v2(120.29,57.57) 121.02,56.84 C268.1 ; C270.1 123.18,56.84 122.48,57.55
  vias: v1(156.8,113.95) v2(119.15,79.76) v2(119.15,78.06) v2(119.15,76.44) v2(119.15,75.23) v2(122.49,57.53) v2(125.25,57.93) v2(125.25,57.24) v2(125.27,54.7) v2(125.27,54.02) v2(125.94,57.93) v2(125.94,57.24) v2(125.96,54.7) v2(125.96,54.02) v2(126.62,57.93) v2(126.62,57.24) v2(126.64,54.7) v2(126.64,54.02) v2(127.36,57.93) v2(127.36,57.24) v2(127.38,54.7) v2(127.38,54.02) v2(128.04,57.93) v2(128.04,57.24) v2(128.06,54.7) v2(128.06,54.02) v2(128.73,57.93) v2(128.73,57.24) v2(128.75,54.7) v2(128.75,54.02) v2(129.39,57.93) v2(129.39,57.24) v2(129.41,54.7) v2(129.41,54.02) v2(130.1,54.7)
+1V5: length 305.7
  Top w0.254: v1(117.55,108.77) 117.57,108.75 SK1.105 ; v1(110.36,108.77) 110.37,108.76 SK1.81 ; 112.45,115.44 112.45,117.06 v1(112.44,117.07) ; 119.67,115.51 119.67,117.13 v1(119.66,117.14) ; v1(121.16,108.75) 121.17,108.74 SK1.117 ; SK1.87 112.17,108.75 v1(112.16,108.75) ; 117.86,115.44 117.86,117.06 v1(117.85,117.07) ; 116.06,115.44 116.06,117.06 v1(116.05,117.07) ; v1(110.65,117.08) 110.66,117.08 110.66,115.46 ; v1(121.45,117.16) 121.46,117.15 121.46,115.53 ; SK1.93 113.97,108.72 v1(113.99,108.74) ; v1(119.36,108.75) 119.37,108.75 SK1.111 ; SK1.75 108.57,108.76 v1(108.57,108.77) ; v1(123.26,117.11) 123.27,117.1 123.27,115.48 ; TP6.1 145.67,43.86 144.92,43.86 143.55,45.23 143.55,47.58 141.95,49.18 141.95,53.67 v1(145.33,57.05) ; v1(122.98,108.73) 122.97,108.71 SK1.123 ; 108.86,115.44 108.86,117.06 v1(108.85,117.07) ; v1(115.77,108.77) 115.77,108.76 SK1.99 ; v1(114.25,117.06) 114.26,117.05 114.26,115.43
  Top w0.381: U1.U3 v1(116.12,76.73) ; U1.AA1 v1(118.12,80.73) ; U1.AF6 v1(113.12,85.73) ; U1.Y4 v1(115.12,79.73) ; U1.AD2 v1(117.12,83.73) ; U1.AF16 v1(102.12,85.73) ; U1.W17 v1(101.12,78.73) ; U1.AB18 v1(100.12,81.73) ; U1.Y14 v1(104.12,79.73) ; U1.AC15 v1(103.12,82.73) ; U1.AB8 v1(111.12,81.73) ; U1.V10 v1(109.12,77.73) ; U1.AD12 v1(107.12,83.73) ; U1.AE19 v1(99.12,84.73) ; U1.AE9 v1(110.12,84.73) ; U1.W7 v1(112.12,78.73) ; U1.AA11 v1(108.12,80.73) ; U1.AC5 114.08,82.69 v1(114.08,82.73)
  In2.Cu w0.254: v1(79.64,11.32) 84.17,11.32 88.14,15.26 ; v1(145.33,57.05) 138.39,57.05 137.61,57.83 131.75,57.83 129.84,55.92 125.44,55.92 124.35,54.83 124.35,51.53 125.15,50.73 125.85,50.73 126.55,50.03 126.55,48.73 125.65,47.83 124.85,47.83 123.85,46.83 114.65,46.83 113.22,48.26 113.22,50.86 112.7,51.38 110.9,51.38 109.05,49.53 109.05,45.09 106.22,42.26 106.22,38.3 101.75,33.83 101.75,29.73 100.75,28.73 98.35,28.73 97.14,27.52 97.14,26.57 97.12,26.56 97.12,25.48 94.69,23.04 94.69,18.78 92.79,16.88 89.76,16.88 88.14,15.26 ; v1(136.15,9.48) 138,11.33 v1(138,28.03) ; 88.14,15.26 88.25,15.4
  In4.Cu w0.254: v1(141.96,83.27) 141.96,76.16 143.03,75.09 143.03,64.45 145.33,62.14 v1(145.33,57.05)
  In4.Cu w0.4: v1(103.91,132.77) 103.91,124.48 v1(101.44,122.01)
  Bottom w0.2: v1(136.15,9.48) 136.15,6.83 J21.14 ; R5.1 98.73,130.57 98.87,130.43 98.87,127.54 99.54,126.87 v1(99.54,120.96) ; U53.6 105.05,128.63 104.8,128.88 C431.1 104.8,129.88 104.45,130.23 v1(103.95,130.23) 101.25,130.23 100.8,129.78 C430.1 100.8,128.88 101.05,128.63 U67.6 ; U42.6 105.05,124.33 104.7,124.68 C317.1 104.7,125.28 104.45,125.53 v1(103.95,125.53)
  Bottom w0.254: v1(94.83,118.14) 94.8,118.14 94.26,117.59 ; v1(138,28.03) 138.65,28.68 138.65,35.33 145.73,42.41 TP6.1 ; R250.1 79.63,11.31 v1(79.64,11.32)
  Bottom w0.381: C332.1 U1.AD2 v1(117.12,83.73) ; 108.77,80.23 108.62,80.23 v1(108.12,80.73) ; C389.1 102.62,82.23 v1(103.12,82.73) ; C387.1 U1.AE19 v1(99.12,84.73) ; v1(113.12,85.73) U1.AF6 C334.1 ; v1(118.12,80.73) U1.AA1 C338.1 ; C390.1 U1.W17 v1(101.12,78.73) ; C391.1 115.97,76.58 v1(116.12,76.73) ; v1(112.12,78.73) 111.62,79.23 111.47,79.23 ; C261.1 U1.AE9 v1(110.12,84.73) ; v1(114.08,82.73) 113.62,82.27 C336.1
  Bottom w0.4: U31.2 144.33,121.41 C22.1 145.79,121.83 v2(145.8,121.82) 145.8,122.47 146.27,122.95 146.27,123.82 145.78,124.3 R31.2 ; U12.2 103.91,134.55 C312.1 103.91,132.77 v1(103.91,132.77) ; C284.1 116.23,89.01 v2(116.25,88.99) ; C388.1 101.64,85.25 v1(102.12,85.73) 102.12,86.56 C253.1 ; C386.1 108.05,88.09 v2(108.05,87.09) ; v2(110.07,89.18) 110.08,89.19 C282.1 ; C257.1 106.63,83.24 v1(107.12,83.73) ; v2(114.21,89.1) 114.15,89.16 C280.1 ; C286.1 112.14,88.92 v2(112.15,88.91) ; v1(104.12,79.73) 104.43,79.73 104.67,79.97 106.27,79.97 106.55,80.25 107.64,80.25 v1(108.12,80.73)
  vias: v2(98.97,120.01) v2(98.97,119.3) v2(98.97,118.59) v2(99,117.9) v2(99.66,120.01) v2(99.66,119.3) v2(99.66,118.59) v2(99.68,117.9)
